# Altium PCB PC4-SODIMM_V200_RC_A1_20141015.PcbDoc (part 5 of 6)
Units mm, origin at the board's own origin, x right, y up, seen from the top; angles counter-clockwise.
Board outline 69.63 x 30.03 mm, 8 copper layers (TOP, SPLIT2, S3, VDD4, S5, S6, SPLIT7, BOTTOM), stack 1.2 mm thick; 198 components, 229 nets, 1319 pads, 781 vias.
Unrouted connection lines stored in the file: 1.
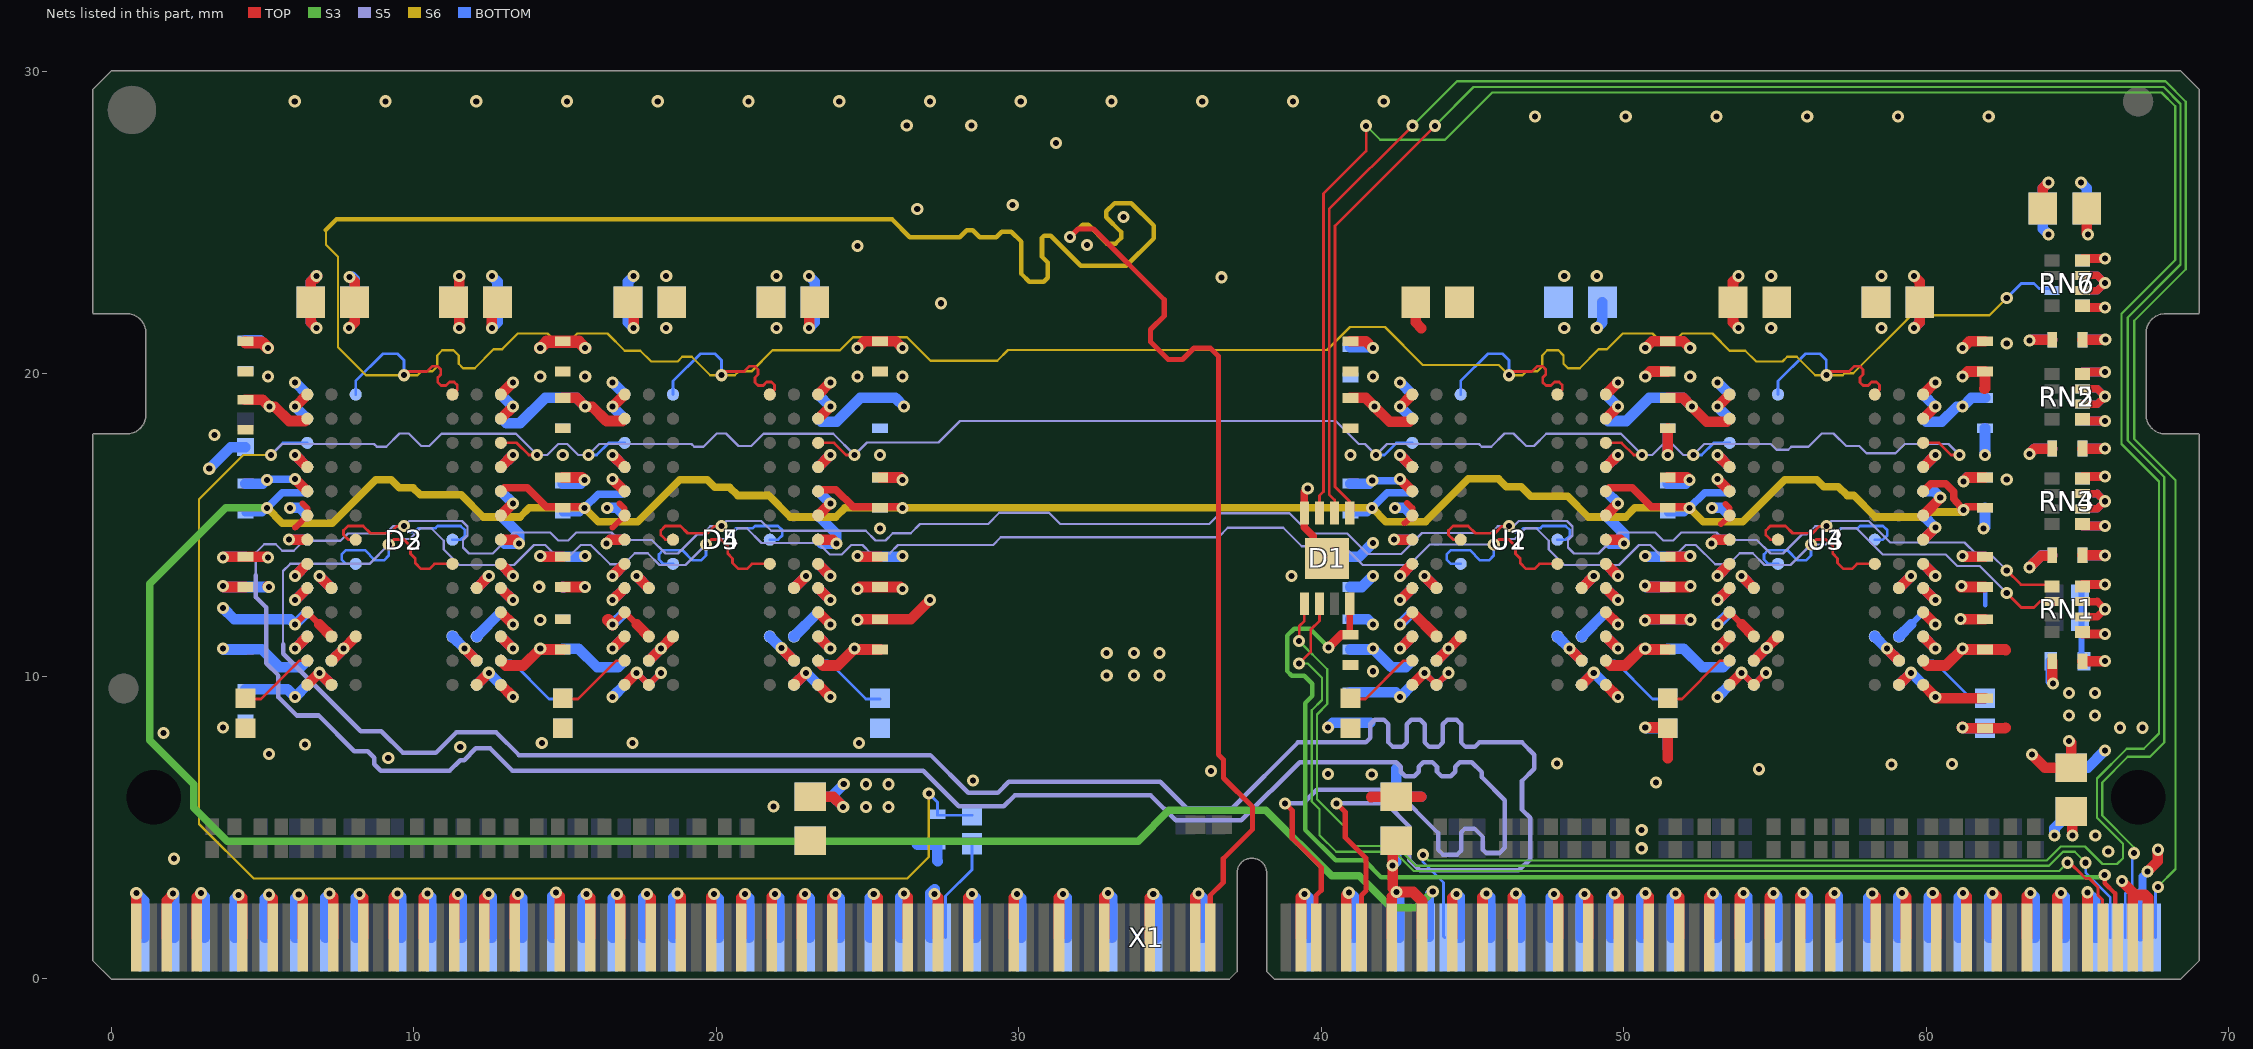
[diagram p11: the nets of this part, all layers, seen from the top]

## Via types
v1: diameter 0.4, hole 0.2, TOP to BOTTOM, tented both sides, 781 vias

## Nets (pads, with @x,y where several pads share a name; then routed paths per layer and width w, separated by ;. In a path a pad name is that pad's centre, name@x,y a point inside that pad or via, vN(x,y) a via of type N, cw(c..) or ccw(c..) an arc to the next point about the centre after c; other vN are vias at no path point) (continued)
GND: C1.2 C2.1 C13.1 C14.1 C15.1 C16.1 C17.1 C18.1 C19.1 C20.1 C21.1 C22.1 C30.1 C31.1 C32.1 C33.1 C34.1 C35.1 C36.1 C38.1 C39.1 C40.1 C41.1 C42.1 C43.1 C44.1 C45.1 C46.1 C47.1 C48.1 C49.1 C50.1 C51.1 C52.1 C53.1 C54.1 C55.1 C58.1 C59.1 C60.1 C61.1 C62.1 C63.1 C64.1 C65.1 C66.1 C67.1 C68.1 C69.1 C70.1 C71.1 C72.1 C73.1 C74.1 C75.1 C76.1 C77.1 C78.1 C79.1 C80.1 C81.1 D1.4 D1.9 D2.A2 D2.A8 D2.A9 D2.C8 D2.D1 D2.D9 D2.E1 D2.E9 D2.G1 D2.G9 D2.H9 D2.K1 D2.K9 D2.N1 D3.A2 D3.A8 D3.A9 D3.C8 D3.D1 D3.D9 D3.E1 D3.E9 D3.G1 D3.G9 D3.H9 D3.K1 D3.K9 D3.N1 D4.A2 D4.A8 D4.A9 D4.C8 D4.D1 D4.D9 D4.E1 D4.E9 D4.G1 D4.G9 D4.H9 D4.K1 D4.K9 D4.N1 D5.A2 D5.A8 D5.A9 D5.C8 D5.D1 D5.D9 D5.E1 D5.E9 D5.G1 D5.G9 D5.H9 D5.K1 D5.K9 D5.N1 R94.1 R95.1 R96.1 R97.1 R98.1 R99.1 R100.1 R101.1 U1.A2 U1.A8 U1.A9 U1.C8 U1.D1 U1.D9 U1.E1 U1.E9 U1.G1 U1.G9 U1.H9 U1.K1 U1.K9 U1.N1 U2.A2 U2.A8 U2.A9 U2.C8 U2.D1 U2.D9 U2.E1 U2.E9 U2.G1 U2.G9 U2.H9 U2.K1 U2.K9 U2.N1 U3.A2 U3.A8 U3.A9 U3.C8 U3.D1 U3.D9 U3.E1 U3.E9 U3.G1 U3.G9 U3.H9 U3.K1 U3.K9 U3.N1 U4.A2 U4.A8 U4.A9 U4.C8 U4.D1 U4.D9 U4.E1 U4.E9 U4.G1 U4.G9 U4.H9 U4.K1 U4.K9 U4.N1 X1.1 X1.2 X1.5 X1.6 X1.9 X1.10 X1.14 X1.15 X1.18 X1.19 X1.22 X1.23 X1.26 X1.27 X1.30 X1.31 X1.35 X1.36 X1.39 X1.40 X1.43 X1.44 X1.47 X1.48 X1.51 X1.52 X1.56 X1.57 X1.60 X1.61 X1.64 X1.65 X1.68 X1.69 X1.72 X1.73 X1.77 X1.78 X1.81 X1.82 X1.85 X1.86 X1.89 X1.90 X1.93 X1.94 X1.98 X1.99 X1.102 X1.103 X1.106 X1.107 X1.167 X1.168 X1.171 X1.172 X1.175 X1.176 X1.180 X1.181 X1.184 X1.185 X1.188 X1.189 X1.192 X1.193 X1.196 X1.197 X1.201 X1.202 X1.205 X1.206 X1.209 X1.210 X1.213 X1.214 X1.217 X1.218 X1.222 X1.223 X1.226 X1.227 X1.230 X1.231 X1.234 X1.235 X1.238 X1.239 X1.243 X1.244 X1.247 X1.248 X1.251 X1.252 | length 267.1
  TOP w0.2: v1(6.073,11.717) D2.D9@6.473,12.117 6.873,11.717 ; 6.073,14.917 D2.H9@6.473,15.317 6.473,15.555 6.318,15.71 ; v1(16.563,11.717) D4.D9@16.963,12.117 17.363,11.717 ; 16.563,14.917 D4.H9@16.963,15.317 16.963,15.545 16.793,15.715 ; v1(17.363,10.117) D4.A8@17.763,9.717 v1(18.163,10.117) ; v1(42.603,11.717) U1.D9@43.003,12.117 ; 42.753,15.067 U1.H9@43.003,15.317 43.003,15.556 42.833,15.726 ; v1(43.403,10.117) U1.A8@43.803,9.717 v1(44.203,10.117) ; v1(53.093,11.717) U3.D9@53.493,12.117 53.893,11.717 ; 53.212,15.036 U3.H9@53.493,15.317 53.493,15.56 53.351,15.702 ; v1(53.893,10.117) U3.A8@54.293,9.717 v1(54.693,10.117)
  TOP w0.25: v1(39.548,16.206) 39.436,16.094 39.436,14.923 39.73,14.629 39.73,14.353 D1.9@40.186,13.897
  TOP w0.35: v1(0.82,2.83) 0.825,2.825 X1.1@0.825,1.365 ; X1.5@1.825,1.365 1.825,2.585 2.03,2.79 v1(2.03,2.82) ; X1.9@2.825,1.365 2.825,2.695 v1(2.96,2.83) ; v1(3.685,12.982) 3.715,12.952 C59.1@4.428,12.952 ; v1(4.2,2.77) 4.23,2.77 4.325,2.675 X1.15@4.325,1.365 ; v1@5.169,12.98 v1@5.171,12.982 ; v1(5.21,2.78) 5.325,2.665 X1.19@5.325,1.365 ; v1(5.873,14.517) D2.G9@6.473,14.517 ; v1(6.073,12.517) D2.E9@6.473,12.917 ; v1(6.073,17.317) D2.K9@6.473,16.917 ; v1(6.19,2.78) 6.325,2.645 X1.23@6.325,1.365 ; D2.A9@6.473,9.717 v1(6.873,10.117) D2.A8@7.273,9.717 ; 6.873,11.717 D2.C8@7.273,11.317 ; v1(7.21,2.82) 7.325,2.705 X1.27@7.325,1.365 ; v1(7.849,21.512) 8.036,21.699 C31.1@8.036,22.37 8.036,23.045 v1(7.874,23.207) ; v1(8.2,2.81) 8.325,2.685 X1.31@8.325,1.365 ; X1.35@9.325,1.365 9.325,2.685 v1(9.46,2.82) ; X1.39@10.325,1.365 10.325,2.695 v1(10.45,2.82) ; C14.1@11.273,22.37 11.497,22.594 v1(11.497,23.228) ; C14.1@11.31,22.37 11.497,22.183 v1(11.497,21.512) ; X1.43@11.325,1.365 11.325,2.675 v1(11.46,2.81) ; D2.A2@12.073,9.717 v1(12.473,10.117) ; X1.47@12.325,1.365 12.325,2.665 v1(12.47,2.81) ; D2.D1@12.873,12.117 v1(13.273,11.717) ; D2.E1@12.873,12.917 v1(13.273,12.517) ; D2.G1@12.873,14.517 13.348,14.517 v1(13.473,14.392) ; D2.K1@12.873,16.917 v1(13.273,17.317) ; D2.N1@12.873,19.317 v1(13.273,19.717) ; X1.51@13.325,1.365 13.325,2.685 v1(13.44,2.8) ; v1(14.7,2.85) 14.825,2.725 X1.57@14.825,1.365 ; C60.1@14.918,12.952 v1(15.65,12.95) ; v1(15.7,2.8) 15.825,2.675 X1.61@15.825,1.365 ; v1(16.363,14.392) 16.488,14.517 D4.G9@16.963,14.517 ; v1(16.563,12.517) D4.E9@16.963,12.917 ; v1(16.563,17.317) D4.K9@16.963,16.917 ; v1(16.71,2.8) 16.825,2.685 X1.65@16.825,1.365 ; D4.A9@16.963,9.717 v1(17.363,10.117) ; 17.363,11.717 D4.C8@17.763,11.317 ; v1(17.7,2.81) 17.825,2.685 X1.69@17.825,1.365 ; v1(18.71,2.82) 18.825,2.705 X1.73@18.825,1.365 ; X1.77@19.825,1.365 19.825,2.705 v1(19.92,2.8) ; X1.81@20.825,1.365 20.825,2.685 v1(20.94,2.8) ; X1.85@21.825,1.365 21.825,2.715 21.92,2.81 v1(21.94,2.81) ; D4.A2@22.563,9.717 v1(22.963,10.117) ; X1.89@22.825,1.365 22.825,2.695 v1(22.93,2.8) ; D4.D1@23.363,12.117 v1(23.763,11.717) ; D4.E1@23.363,12.917 v1(23.763,12.517) ; D4.G1@23.363,14.517 23.838,14.517 v1(23.963,14.392) ; D4.K1@23.363,16.917 v1(23.763,17.317) ; D4.N1@23.363,19.317 v1(23.763,19.717) ; X1.93@23.825,1.365 23.825,2.695 v1(23.93,2.8) ; v1(24.665,11.857) 24.695,11.887 C43.1@25.408,11.887 26.423,11.887 v1(27.053,12.517) ; v1(24.665,12.882) 24.735,12.952 C62.1@25.408,12.952 26.081,12.952 v1(26.151,12.882) ; v1(25.2,2.8) 25.325,2.675 X1.99@25.325,1.365 ; v1(26.2,2.82) 26.325,2.695 X1.103@26.325,1.365 ; v1(27.21,2.8) 27.325,2.685 X1.107@27.325,1.365 ; 41.65,6.01 41.658,6.018 C16.1@42.47,6.018 43.288,6.018 43.29,6.02 ; v1(42.403,14.517) U1.G9@43.003,14.517 ; v1(42.603,12.517) U1.E9@43.003,12.917 ; v1(42.603,17.317) U1.K9@43.003,16.917 ; U1.A9@43.003,9.717 v1(43.403,10.117) ; U1.D9@43.003,12.117 U1.C8@43.803,11.317 ; X1.167@44.325,1.365 44.325,2.675 v1(44.46,2.81) ; X1.171@45.325,1.365 45.325,2.695 v1(45.45,2.82) ; X1.175@46.325,1.365 46.325,2.715 v1(46.43,2.82) ; v1(47.69,2.81) 47.825,2.675 X1.181@47.825,1.365 ; U1.A2@48.603,9.717 v1(49.003,10.117) ; v1(48.69,2.81) 48.825,2.675 X1.185@48.825,1.365 ; U1.D1@49.403,12.117 v1(49.803,11.717) ; U1.E1@49.403,12.917 v1(49.803,12.517) ; U1.G1@49.403,14.517 49.878,14.517 v1(50.003,14.392) ; U1.K1@49.403,16.917 v1(49.803,17.317) ; U1.N1@49.403,19.317 v1(49.803,19.717) ; v1(49.69,2.82) 49.825,2.685 X1.189@49.825,1.365 ; v1(50.691,11.843) 50.691,11.856 50.722,11.887 C46.1@51.448,11.887 52.187,11.887 v1(52.205,11.869) ; v1(50.705,8.309) 51.418,8.309 R100.1@51.448,8.279 51.448,7.292 ; v1(50.705,19.908) 50.875,20.078 C66.1@51.448,20.078 ; v1(50.71,2.83) 50.825,2.715 X1.193@50.825,1.365 ; v1@50.779,12.952 C67.1@51.448,12.952 52.166,12.952 v1(52.202,12.988) ; v1(51.448,17.317) C45.1@51.448,18.203 ; v1(51.7,2.82) 51.825,2.695 X1.197@51.825,1.365 ; X1.201@52.825,1.365 52.825,2.705 v1(52.94,2.82) ; v1(52.893,14.392) 53.018,14.517 U3.G9@53.493,14.517 ; v1(53.093,12.517) U3.E9@53.493,12.917 ; v1(53.093,17.317) U3.K9@53.493,16.917 ; U3.A9@53.493,9.717 v1(53.893,10.117) ; X1.205@53.825,1.365 53.825,2.715 v1(53.948,2.838) ; 53.893,11.717 U3.C8@54.293,11.317 ; X1.209@54.825,1.365 54.825,2.705 v1(54.95,2.83) ; X1.213@55.825,1.365 55.825,2.725 v1(55.94,2.84) ; X1.217@56.825,1.365 56.825,2.705 v1(56.96,2.84) ; v1(58.21,2.82) 58.325,2.705 X1.223@58.325,1.365 ; U3.A2@59.093,9.717 v1(59.493,10.117) ; v1(59.2,2.83) 59.325,2.705 X1.227@59.325,1.365 ; U3.D1@59.893,12.117 v1(60.293,11.717) ; U3.E1@59.893,12.917 v1(60.293,12.517) ; U3.G1@59.893,14.517 v1(60.293,14.917) ; U3.K1@59.893,16.917 v1(60.293,17.317) ; U3.N1@59.893,19.317 v1(60.293,19.717) ; v1(60.21,2.84) 60.325,2.725 X1.231@60.325,1.365 ; v1(61.13,11.89) 61.133,11.887 C47.1@61.938,11.887 ; v1(61.16,12.982) 61.142,12.982 61.14,12.98 61.14,12.95 61.142,12.952 C69.1@61.938,12.952 ; v1(61.195,8.309) 61.225,8.279 C78.1@61.938,8.279 62.593,8.279 62.615,8.301 ; v1(61.195,19.908) 61.365,20.078 C68.1@61.938,20.078 61.938,19.517 61.921,19.5 ; v1(61.21,2.83) 61.325,2.715 X1.235@61.325,1.365 ; v1(62.19,2.83) 62.22,2.83 62.325,2.725 X1.239@62.325,1.365 ; X1.243@63.325,1.365 63.325,2.725 v1(63.44,2.84) ; v1(63.49,7.41) 63.92,6.98 C30.1@64.787,6.98 64.787,7.799 v1(64.719,7.867) ; X1.247@64.325,1.365 64.325,2.715 v1(64.45,2.84) ; v1(65.32,2.86) 65.325,2.855 X1.251@65.325,1.365
  TOP w0.4: v1@16.423,11.857 v1(16.563,11.717) ; C32.1@18.389,22.196 18.563,22.37 C32.1@18.389,22.544 ; C15.1@21.937,22.196 21.763,22.37 C15.1@21.937,22.544 ; D1.9@39.799,13.51 D1.9@40.186,13.897 D1.9@40.511,13.572
  BOTTOM w0.15: v1@61.13,12.97 61.148,12.952 C73.1@61.938,12.952 61.938,12.347
  BOTTOM w0.2: D3.D9@12.873,12.117 v1(13.273,11.717) ; v1(17.363,10.117) D5.A2@17.763,9.717 v1(18.163,10.117) ; D5.D9@23.363,12.117 v1(23.763,11.717) ; v1(43.403,10.117) U2.A2@43.803,9.717 v1(44.203,10.117) ; U2.D9@49.403,12.117 v1(49.803,11.717) ; v1(53.893,10.117) U4.A2@54.293,9.717 v1(54.693,10.117) ; 59.493,11.717 U4.D9@59.893,12.117 v1(60.293,11.717)
  BOTTOM w0.35: v1@0.825,2.825 1.075,2.575 X1.2@1.075,1.365 ; v1(2.03,2.82) 2.06,2.82 2.075,2.805 X1.6@2.075,1.365 ; v1@2.98,2.83 v1(2.96,2.83) 3.075,2.715 X1.10@3.075,1.365 ; v1(3.685,12.257) 4.055,11.887 C55.1@4.428,11.887 5.903,11.887 v1(6.073,11.717) D3.D1@6.473,12.117 ; v1(3.685,12.982) 3.715,12.952 C64.1@4.428,12.952 5.198,12.952 v1(5.2,12.95) ; X1.14@4.075,1.365 4.075,2.645 v1(4.2,2.77) ; X1.18@5.075,1.365 5.075,2.645 v1(5.21,2.78) ; v1(5.873,14.517) D3.G1@6.473,14.517 ; v1(6.073,12.517) D3.E1@6.473,12.917 ; v1(6.073,17.317) D3.K1@6.473,16.917 ; v1(6.073,19.717) D3.N1@6.473,19.317 ; X1.22@6.075,1.365 6.075,2.665 v1(6.19,2.78) ; v1(6.873,10.117) D3.A2@7.273,9.717 ; X1.26@7.075,1.365 7.075,2.685 v1(7.21,2.82) ; v1(7.874,23.207) 7.955,23.207 8.036,23.126 C35.1@8.036,22.37 ; X1.30@8.075,1.365 8.075,2.685 v1(8.2,2.81) ; v1(9.46,2.82) 9.575,2.705 X1.36@9.575,1.365 ; v1(10.45,2.82) 10.575,2.695 X1.40@10.575,1.365 ; v1(11.46,2.81) 11.575,2.695 X1.44@11.575,1.365 ; D3.A8@12.073,9.717 v1(12.473,10.117) D3.A9@12.873,9.717 ; D3.C8@12.073,11.317 D3.D9@12.873,12.117 ; v1(12.47,2.81) 12.575,2.705 X1.48@12.575,1.365 ; D3.E9@12.873,12.917 v1(13.273,12.517) ; D3.G9@12.873,14.517 12.998,14.392 v1(13.473,14.392) 13.473,14.717 D3.H9@12.873,15.317 ; D3.K9@12.873,16.917 v1(13.273,17.317) ; v1(13.44,2.8) 13.575,2.665 X1.52@13.575,1.365 ; v1(14.14,12.96) v1@14.148,12.952 ; X1.56@14.575,1.365 14.575,2.725 v1(14.7,2.85) ; C79.1@14.918,12.952 C79.1@14.934,12.936 ; X1.60@15.575,1.365 15.575,2.675 v1(15.7,2.8) ; v1@15.636,12.936 v1(15.65,12.95) ; v1(16.363,14.392) 16.488,14.517 D5.G1@16.963,14.517 ; v1(16.563,11.717) D5.D1@16.963,12.117 ; v1(16.563,12.517) D5.E1@16.963,12.917 ; v1(16.563,17.317) D5.K1@16.963,16.917 ; v1(16.563,19.717) D5.N1@16.963,19.317 ; X1.64@16.575,1.365 16.575,2.665 v1(16.71,2.8) ; X1.68@17.575,1.365 17.575,2.685 v1(17.7,2.81) ; X1.72@18.575,1.365 18.575,2.685 v1(18.71,2.82) ; v1(19.92,2.8) 20.075,2.645 X1.78@20.075,1.365 ; v1(20.94,2.8) 21.075,2.665 X1.82@21.075,1.365 ; v1(21.94,2.81) 22.075,2.675 X1.86@22.075,1.365 ; D5.A8@22.563,9.717 v1(22.963,10.117) D5.A9@23.363,9.717 ; D5.C8@22.563,11.317 D5.D9@23.363,12.117 ; v1(22.93,2.8) 23.075,2.655 X1.90@23.075,1.365 ; D5.E9@23.363,12.917 v1(23.763,12.517) ; D5.G9@23.363,14.517 23.488,14.392 v1(23.963,14.392) 23.963,14.717 D5.H9@23.363,15.317 ; D5.K9@23.363,16.917 v1(23.763,17.317) ; v1(23.93,2.8) 24.075,2.655 X1.94@24.075,1.365 ; X1.98@25.075,1.365 25.075,2.675 v1(25.2,2.8) ; X1.102@26.075,1.365 26.075,2.695 v1(26.2,2.82) ; 26.625,4.457 26.645,4.437 C1.2@27.305,4.437 27.305,3.903 27.315,3.893 ; X1.106@27.075,1.365 27.075,2.825 v1@27.21,2.96 ; v1(40.215,8.309) 40.373,8.467 C81.1@40.958,8.467 41.608,8.467 41.61,8.465 ; C51.1@40.958,11.887 41.531,11.887 v1(41.701,11.717) ; C70.1@40.958,12.952 41.336,12.952 v1(41.701,13.317) ; v1(42.403,14.517) U2.G1@43.003,14.517 ; 42.47,6.948 C13.1@42.47,6.018 43.291,6.018 ; v1(42.603,11.717) U2.D1@43.003,12.117 ; v1(42.603,12.517) U2.E1@43.003,12.917 ; v1(42.603,17.317) U2.K1@43.003,16.917 ; v1(42.603,19.717) U2.N1@43.003,19.317 ; v1(44.46,2.81) 44.48,2.81 44.575,2.715 X1.168@44.575,1.365 ; v1(45.45,2.82) 45.575,2.695 X1.172@45.575,1.365 ; v1(46.43,2.82) 46.575,2.675 X1.176@46.575,1.365 ; X1.180@47.575,1.365 47.575,2.695 v1(47.69,2.81) ; X1.184@48.575,1.365 48.575,2.695 v1(48.69,2.81) ; U2.A8@48.603,9.717 v1(49.003,10.117) U2.A9@49.403,9.717 ; U2.C8@48.603,11.317 U2.D9@49.403,12.117 ; U2.E9@49.403,12.917 v1(49.803,12.517) ; U2.G9@49.403,14.517 49.528,14.392 v1(50.003,14.392) 50.003,14.717 U2.H9@49.403,15.317 ; U2.K9@49.403,16.917 v1(49.803,17.317) ; X1.188@49.575,1.365 49.575,2.705 v1(49.69,2.82) ; X1.192@50.575,1.365 50.575,2.695 v1(50.71,2.83) ; v1(50.69,12.995) 50.733,12.952 C72.1@51.448,12.952 ; v1(50.691,11.843) 50.736,11.887 C53.1@51.448,11.887 52.187,11.887 v1(52.205,11.869) ; v1(50.705,8.309) 50.735,8.279 R99.1@51.448,8.279 51.448,7.622 ; v1(51.448,17.317) C52.1@51.448,18.203 ; X1.196@51.575,1.365 51.575,2.695 v1(51.7,2.82) ; v1(52.893,14.392) 53.018,14.517 U4.G1@53.493,14.517 ; v1(52.94,2.82) 53.075,2.685 X1.202@53.075,1.365 ; v1(53.093,11.717) U4.D1@53.493,12.117 ; v1(53.093,12.517) U4.E1@53.493,12.917 ; v1(53.093,17.317) U4.K1@53.493,16.917 ; v1(53.093,19.717) U4.N1@53.493,19.317 ; v1(53.948,2.838) 54.075,2.711 X1.206@54.075,1.365 ; v1(54.95,2.83) 55.075,2.705 X1.210@55.075,1.365 ; v1(55.94,2.84) 56.075,2.705 X1.214@56.075,1.365 ; v1(56.96,2.84) 57.075,2.725 X1.218@57.075,1.365 ; X1.222@58.075,1.365 58.075,2.685 v1(58.21,2.82) ; X1.226@59.075,1.365 59.075,2.705 v1(59.2,2.83) ; U4.A8@59.093,9.717 v1(59.493,10.117) U4.A9@59.893,9.717 ; U4.C8@59.093,11.317 59.493,11.717 ; U4.E9@59.893,12.917 v1(60.293,12.517) ; U4.G9@59.893,14.517 v1(60.293,14.917) U4.H9@59.893,15.317 ; U4.K9@59.893,16.917 v1(60.293,17.317) ; X1.230@60.075,1.365 60.075,2.705 v1(60.21,2.84) ; X1.234@61.075,1.365 61.075,2.695 v1(61.21,2.83) ; v1@61.13,12.97 61.142,12.982 v1(61.16,12.982) ; v1(61.195,8.309) 61.225,8.279 R101.1@61.938,8.279 ; v1(61.888,14.885) 61.938,14.935 C76.1@61.938,15.572 ; v1(61.938,17.317) C54.1@61.938,18.203 ; X1.238@62.075,1.365 62.075,2.715 v1(62.19,2.83) ; v1(63.44,2.84) 63.575,2.705 X1.244@63.575,1.365 ; v1(64.45,2.84) 64.575,2.715 X1.248@64.575,1.365 ; v1(65.112,26.327) 65.299,26.14 C22.1@65.299,25.469 ; v1(65.32,2.86) 65.575,2.605 X1.252@65.575,1.365
  BOTTOM w0.4: R95.1@14.918,8.279 R95.1@14.918,8.309
  other v1: 2.061,3.97 21.88,5.7 51.058,6.485 41.663,6.76 54.462,6.929 58.845,7.091 47.784,7.116 60.84,7.103 9.15,7.298 5.212,7.427 11.529,7.667 6.397,7.746 14.225,7.797 17.225,7.797 24.715,7.797 1.72,8.13 3.685,8.309 41.701,10.167 14.175,11.857 39.011,13.317 25.408,14.886 62.656,16.503 14.918,17.317 25.408,17.317 40.958,17.317 3.408,17.977 5.171,19.908 14.175,19.908 15.661,19.908 24.665,19.908 26.151,19.908 41.701,19.908 52.191,19.908 62.656,21.003 18.339,21.512 21.987,21.512 48.027,21.512 54.869,21.512 58.517,21.512 18.339,23.228 21.987,23.228 48.027,23.228 54.869,23.228 58.517,23.228 47.059,28.51 50.059,28.51 53.059,28.51 56.059,28.51 59.059,28.51 62.059,28.51 6.059,29.01 9.059,29.01 12.059,29.01 15.059,29.01 18.059,29.01 21.059,29.01 24.059,29.01 27.059,29.01 30.059,29.01 33.059,29.01 36.059,29.01 39.059,29.01 42.059,29.01
MEMRST: C1.1 D2.L1 D3.L1 D4.L1 D5.L1 R1.2 U1.L1 U2.L1 U3.L1 U4.L1 | length 115.2
  TOP w0.09: D2.L1@12.873,17.717 13.396,17.717 13.796,17.317 v1(14.073,17.317) ; D4.L1@23.363,17.717 23.886,17.717 24.286,17.317 v1(24.563,17.317) ; U1.L1@49.403,17.717 49.926,17.717 50.326,17.317 v1(50.603,17.317) ; U3.L1@59.893,17.717 60.416,17.717 60.816,17.317 v1(61.093,17.317)
  S5 w0.075: v1(5.273,17.317) 5.636,17.679 8.681,17.679 8.774,17.588 9.083,17.588 9.523,18.028 9.823,18.028 10.239,17.612 10.502,17.612 10.908,18.018 13.372,18.018 v1(14.073,17.317) 14.405,17.317 14.768,17.679 15.068,17.679 15.431,17.317 v1(15.763,17.317) 16.125,17.679 19.172,17.679 19.263,17.588 19.573,17.588 20.013,18.028 20.313,18.028 20.729,17.612 21.147,17.612 21.554,18.018 23.862,18.018 v1(24.563,17.317) 24.977,17.731 27.341,17.731 28.051,18.441 40.469,18.441 41.23,17.679 41.44,17.679 v1(41.803,17.317) 42.165,17.679 45.211,17.679 45.304,17.588 45.613,17.588 46.053,18.028 46.353,18.028 46.769,17.612 47.028,17.612 47.435,18.018 49.902,18.018 v1(50.603,17.317) 50.935,17.317 51.298,17.679 51.598,17.679 51.961,17.317 v1(52.293,17.317) 52.656,17.679 54.85,17.679 55.043,17.487 55.435,17.487 55.536,17.588 56.103,17.588 56.543,18.028 56.931,18.028 57.347,17.612 57.781,17.612 58.02,17.374 58.98,17.374 59.287,17.679 60.731,17.679 v1(61.093,17.317)
  S6 w0.075: v1(5.273,17.317) 4.358,17.317 2.892,15.851 2.892,5.121 4.7,3.313 26.305,3.313 27.019,4.026 v1(27.019,6.123)
  BOTTOM w0.09: v1(5.273,17.317) 5.673,17.717 D3.L1@6.473,17.717 ; v1(15.763,17.317) 16.04,17.317 16.44,17.717 D5.L1@16.963,17.717 ; v1(27.019,6.123) 27.305,5.837 C1.1@27.305,5.437 27.305,5.407 R1.2@28.449,5.407 ; v1(41.803,17.317) 42.08,17.317 42.48,17.717 U2.L1@43.003,17.717 ; v1(52.293,17.317) 52.57,17.317 52.97,17.717 U4.L1@53.493,17.717
NetC4_1: C4.1 R80.2 R85.2 | length 2.3
  BOTTOM w0.2: C4.1@65.127,10.5 R85.2@65.127,12.763
ODT0: D2.F3 D3.F3 D4.F3 D5.F3 RN1.2 U1.F3 U2.F3 U3.F3 U4.F3 X1.155 | length 159
  TOP w0.09: v1(9.167,14.357) 9.335,14.525 9.663,14.525 9.887,14.301 9.887,14.051 10.042,13.896 10.042,13.746 10.235,13.554 10.516,13.554 10.679,13.717 D2.F3@11.273,13.717 ; v1(19.657,14.357) 19.825,14.525 20.153,14.525 20.377,14.301 20.377,14.051 20.532,13.896 20.532,13.746 20.725,13.554 21.006,13.554 21.169,13.717 D4.F3@21.763,13.717 ; v1(45.697,14.357) 45.865,14.525 46.193,14.525 46.417,14.301 46.417,14.051 46.572,13.896 46.572,13.746 46.764,13.554 47.045,13.554 47.209,13.717 U1.F3@47.803,13.717 ; v1(56.187,14.357) 56.355,14.525 56.683,14.525 56.907,14.301 56.907,14.051 57.062,13.896 57.062,13.746 57.255,13.554 57.536,13.554 57.699,13.717 U3.F3@58.293,13.717 ; v1(62.656,12.753) 63.135,12.275 63.559,12.275 63.756,12.471 RN1.2@64.149,12.471
  TOP w0.17: v1(40.5,5.8) 40.789,5.511 40.789,4.673 41.474,3.988 41.474,2.908 41.325,2.759 X1.155@41.325,1.365
  S5 w0.075: 5.673,11.059 5.673,13.483 5.907,13.717 8.527,13.717 v1(9.167,14.357) 9.35,14.54 9.861,14.54 10.213,14.892 10.573,14.892 10.984,14.481 10.984,14.195 11.499,13.68 13.303,13.68 13.968,14.345 14.337,14.345 14.681,14.001 15.167,14.001 15.511,14.345 15.844,14.345 16.486,13.703 16.932,13.703 17.297,14.068 17.732,14.068 18.12,13.68 18.979,13.68 v1(19.657,14.357) 19.84,14.54 20.351,14.54 20.703,14.892 21.003,14.892 21.489,14.406 23.366,14.406 23.743,14.029 24.144,14.029 24.459,14.345 24.827,14.345 25.101,14.071 25.727,14.071 26.001,14.345 29.148,14.345 29.402,14.599 36.594,14.599 36.904,14.909 38.739,14.909 39.351,14.297 40.744,14.297 41.362,13.68 42.9,13.68 43.577,14.357 v1(45.697,14.357) 45.88,14.54 46.391,14.54 46.743,14.892 47.103,14.892 47.514,14.481 47.514,14.195 48.03,13.68 49.833,13.68 50.498,14.345 50.868,14.345 51.211,14.001 51.697,14.001 52.041,14.345 52.374,14.345 53.016,13.703 53.462,13.703 53.827,14.068 54.262,14.068 54.651,13.68 55.51,13.68 v1(56.187,14.357) 56.67,14.357 57.205,14.892 57.688,14.892 58.554,14.025 60.639,14.025 60.999,13.665 61.02,13.645 61.765,13.645 v1(62.656,12.753)
  S5 w0.15: 5.673,11.059 5.673,10.751 8.239,8.185 8.923,8.185 9.636,7.472 10.726,7.472 11.398,8.144 12.724,8.144 13.471,7.397 27.074,7.397 28.319,6.152 29.306,6.152 29.666,6.512 34.668,6.512 35.544,5.636 37.046,5.636 39.223,7.813 40.951,7.813 41.466,7.813 41.616,7.963 41.616,8.416 41.766,8.566 42.066,8.566 42.216,8.416 42.216,7.813 42.364,7.665 42.668,7.665 42.816,7.813 42.816,8.416 42.966,8.566 43.266,8.566 43.416,8.416 43.416,7.813 43.564,7.665 43.868,7.665 44.016,7.813 44.016,8.416 44.166,8.566 44.466,8.566 44.616,8.416 44.616,7.813 44.764,7.665 45.068,7.665 45.216,7.813 45.516,7.813 46.632,7.813 47.034,7.411 47.034,6.945 46.63,6.541 46.63,5.588 46.898,5.32 46.898,3.958 46.528,3.588 43.246,3.588 42.905,3.929 42.905,5.035 42.14,5.8 v1(40.5,5.8)
  BOTTOM w0.09: D3.F3@8.073,13.717 7.75,13.717 7.608,13.859 7.608,14.032 7.748,14.172 8.379,14.172 8.716,13.835 9.004,13.835 9.167,13.998 v1(9.167,14.357) ; D5.F3@18.563,13.717 18.24,13.717 18.098,13.859 18.098,14.032 18.238,14.172 18.869,14.172 19.206,13.835 19.494,13.835 19.657,13.998 v1(19.657,14.357) ; U2.F3@44.603,13.717 44.28,13.717 44.138,13.859 44.138,14.032 44.278,14.172 44.909,14.172 45.246,13.835 45.534,13.835 45.697,13.998 v1(45.697,14.357) ; U4.F3@55.093,13.717 54.77,13.717 54.628,13.859 54.628,14.032 54.768,14.172 55.399,14.172 55.736,13.835 56.024,13.835 56.187,13.998 v1(56.187,14.357)
PARITY: D2.N3 D3.N3 D4.N3 D5.N3 RN6.2 U1.N3 U2.N3 U3.N3 U4.N3 X1.143 | length 159.3
  TOP w0.09: v1(9.673,19.954) 9.793,20.074 10.426,20.074 10.607,20.255 10.777,20.255 10.886,20.146 10.886,19.976 10.787,19.877 10.787,19.72 10.892,19.616 11.058,19.616 11.171,19.729 11.329,19.729 11.429,19.629 11.429,19.474 D2.N3@11.273,19.317 ; v1(20.163,19.954) 20.283,20.074 20.916,20.074 21.097,20.255 21.267,20.255 21.376,20.146 21.376,19.976 21.277,19.877 21.277,19.72 21.382,19.616 21.548,19.616 21.661,19.729 21.819,19.729 21.919,19.629 21.919,19.474 D4.N3@21.763,19.317 ; v1(46.203,19.954) 46.323,20.074 46.956,20.074 47.137,20.255 47.307,20.255 47.416,20.146 47.416,19.976 47.317,19.877 47.317,19.72 47.422,19.616 47.588,19.616 47.701,19.729 47.859,19.729 47.96,19.629 47.96,19.474 U1.N3@47.803,19.317 ; v1(56.693,19.954) 56.813,20.074 57.446,20.074 57.627,20.255 57.797,20.255 57.906,20.146 57.906,19.976 57.807,19.877 57.807,19.72 57.912,19.616 58.078,19.616 58.191,19.729 58.349,19.729 58.449,19.629 58.449,19.474 U3.N3@58.293,19.317
  TOP w0.17: v1(31.685,24.518) 31.954,24.787 32.466,24.787 34.802,22.451 34.802,21.914 34.349,21.461 34.349,21.059 34.934,20.474 35.411,20.474 35.79,20.853 36.326,20.853 36.6,20.579 36.6,7.41 36.765,7.245 36.765,6.637 37.726,5.676 37.726,4.942 36.754,3.97 36.754,3.188 36.325,2.759 X1.143@36.325,1.365
  S6 w0.075: 7.089,24.755 7.089,24.266 7.487,23.868 7.487,20.882 8.414,19.954 v1(9.673,19.954) 10.115,19.954 10.242,20.081 10.607,20.081 10.768,20.242 10.768,20.608 10.938,20.778 11.307,20.778 11.476,20.609 11.476,20.33 11.619,20.187 12.006,20.187 12.632,20.813 12.914,20.813 13.432,21.331 14.416,21.331 14.625,21.122 15.186,21.122 15.395,21.331 16.4,21.331 16.964,20.767 17.484,20.767 17.843,20.408 18.716,20.408 18.871,20.563 19.186,20.563 19.795,19.954 v1(20.163,19.954) 20.605,19.954 20.732,20.081 21.157,20.081 21.856,20.78 24.084,20.78 24.515,21.211 26.301,21.211 27.077,20.435 29.286,20.435 29.641,20.789 40.187,20.789 40.946,21.548 42.097,21.548 43.353,20.292 45.865,20.292 v1(46.203,19.954) 46.645,19.954 46.772,20.081 47.137,20.081 47.298,20.242 47.298,20.608 47.468,20.778 47.837,20.778 48.006,20.609 48.006,20.33 48.149,20.187 48.536,20.187 49.162,20.813 49.444,20.813 49.962,21.331 50.946,21.331 51.155,21.122 51.716,21.122 51.925,21.331 52.93,21.331 53.494,20.767 54.014,20.767 54.373,20.408 55.246,20.408 55.401,20.563 55.716,20.563 56.325,19.954 v1(56.693,19.954) 57.23,19.954 57.293,20.017 57.584,20.017 59.23,21.663 59.443,21.875 59.502,21.934 62.087,21.934 v1(62.656,22.503)